# KiCad board SparkFun_GNSS_mosaic-T_panelized.kicad_pcb (continued)
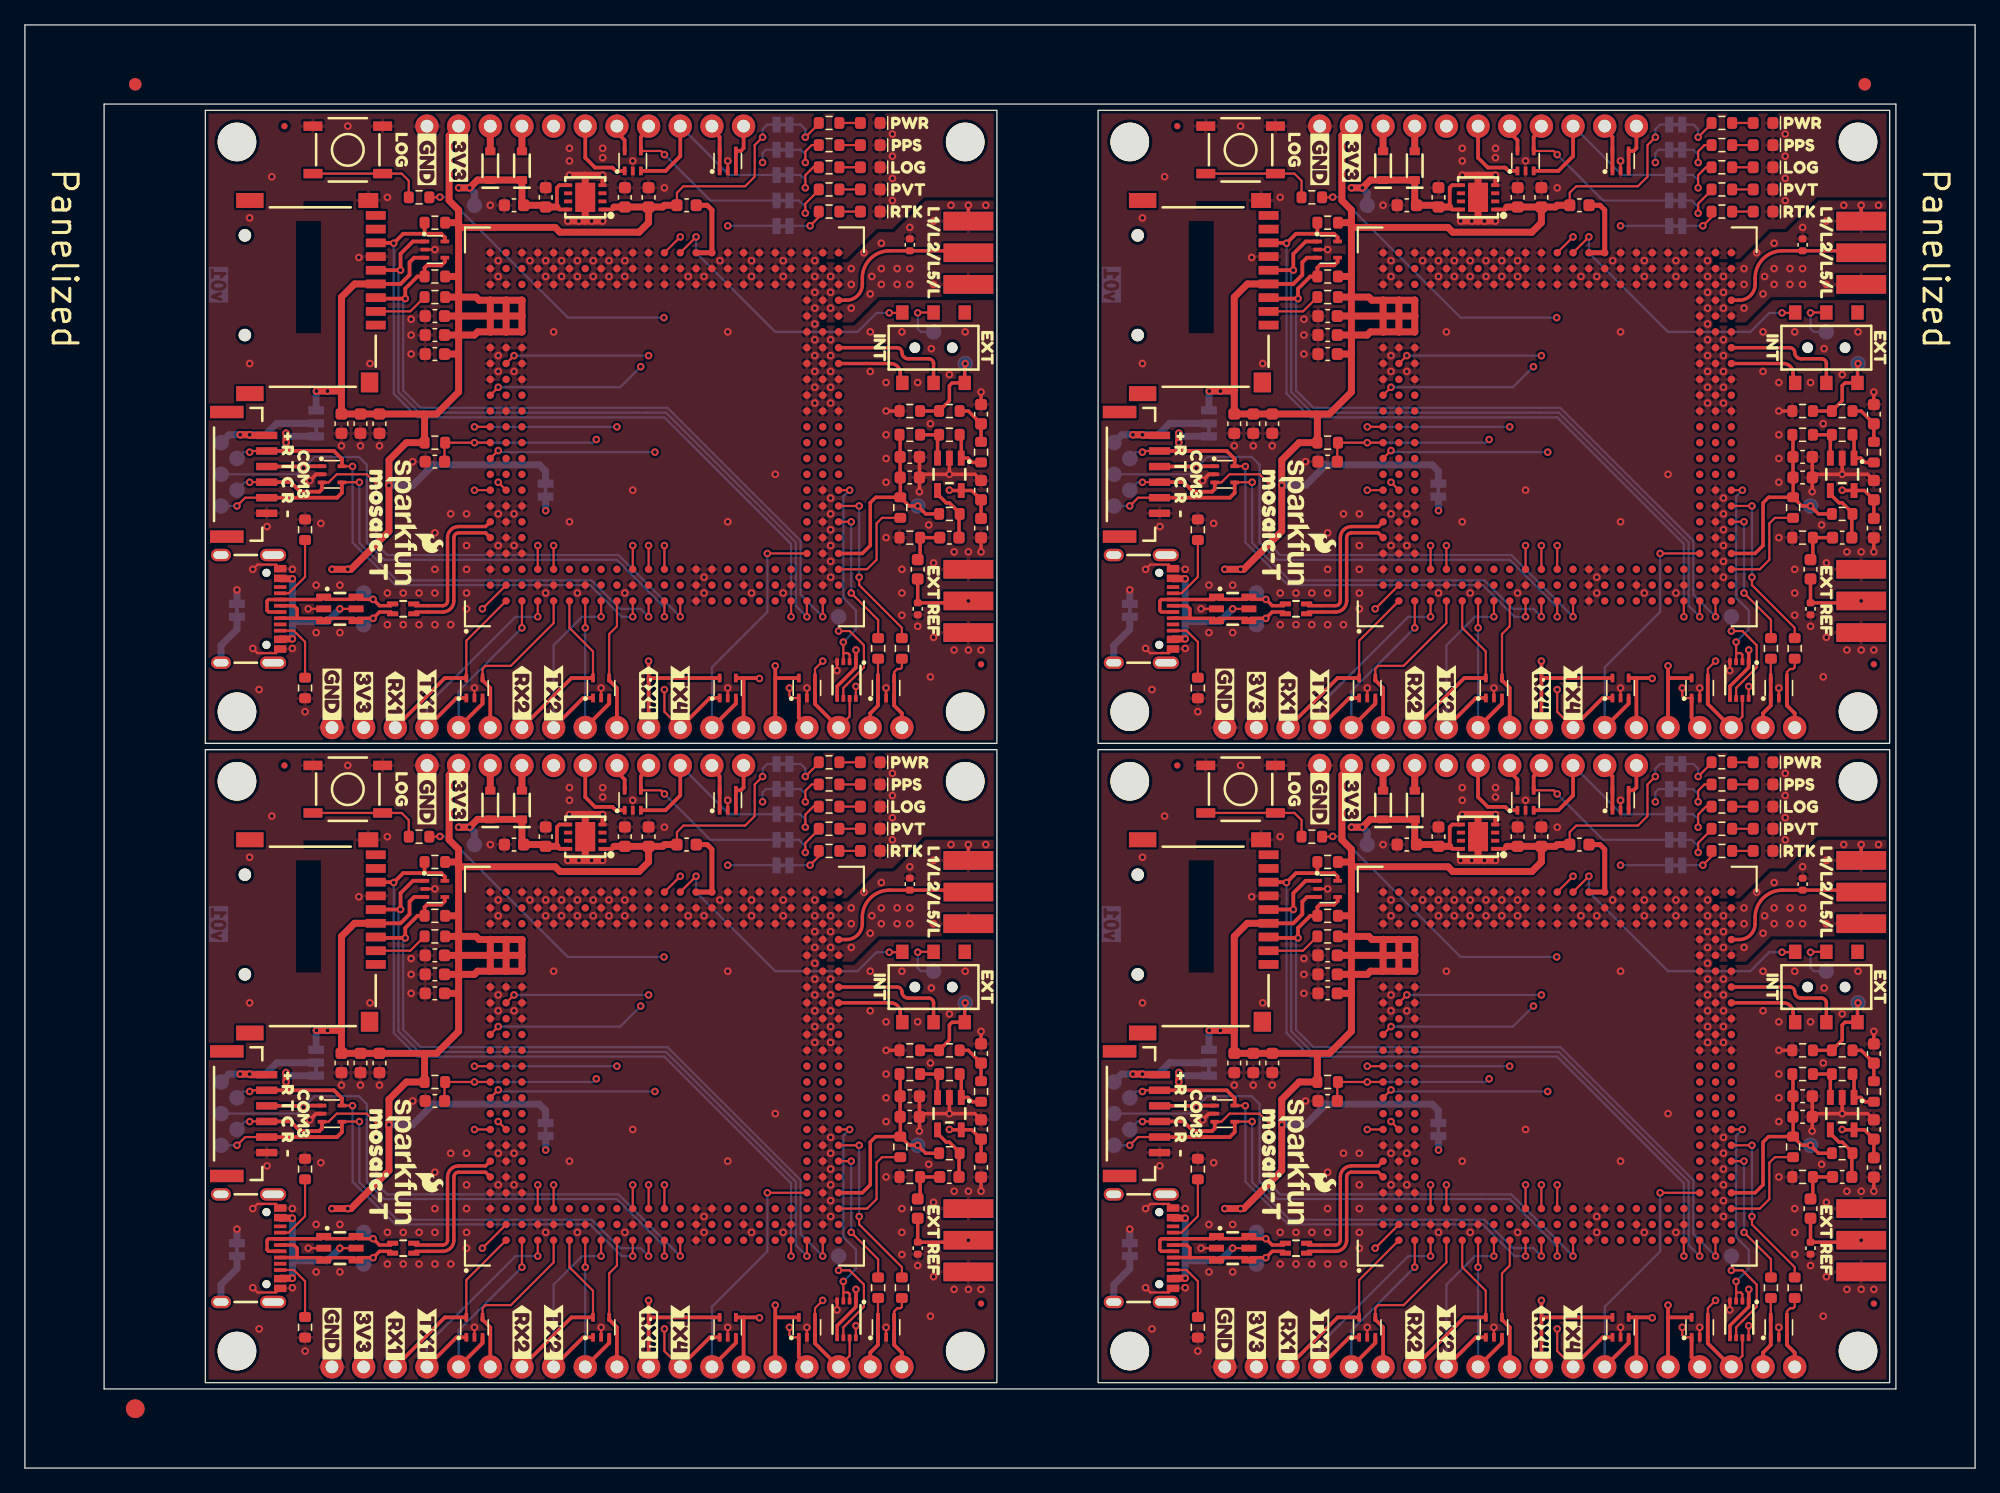
[diagram p0: board, top side]
## Library data of the parts (continued)
C3#3 C4#2 C6#4 C8#2 C13#4 = -: Datasheet: https://cdn.sparkfun.com/assets/8/a/4/a/5/Kemet_Capacitor_Datasheet.pdf; Description: Unpolarized capacitor; PROD_ID: CAP-00810; Voltage: 25V; Tolerance: 20%; ki_fp_filters: C_*
C5 C5#2 C5#3 C9#2-C9#4 C16 C16#2 C16#3 C17#2-C17#4 = -: Datasheet: https://cdn.sparkfun.com/assets/8/a/4/a/5/Kemet_Capacitor_Datasheet.pdf; Description: Unpolarized capacitor; PROD_ID: CAP-13930; Voltage: 16V; Tolerance: 10%
C5#4 C9 C16#4 C17 = -: Datasheet: https://cdn.sparkfun.com/assets/8/a/4/a/5/Kemet_Capacitor_Datasheet.pdf; Description: Unpolarized capacitor; PROD_ID: CAP-13930; Voltage: 16V; Tolerance: 10%; ki_fp_filters: C_*
C10 C10#2 C10#3 C11 C11#2 C11#3 = -: Datasheet: https://cdn.sparkfun.com/assets/8/a/4/a/5/Kemet_Capacitor_Datasheet.pdf; Description: Unpolarized capacitor; PROD_ID: CAP-07886; Voltage: 50V; Tolerance: 10%
C10#4 C11#4 = -: Datasheet: https://cdn.sparkfun.com/assets/8/a/4/a/5/Kemet_Capacitor_Datasheet.pdf; Description: Unpolarized capacitor; PROD_ID: CAP-07886; Voltage: 50V; Tolerance: 10%; ki_fp_filters: C_*
C14 C14#2 C14#4 = -: Datasheet: https://cdn.sparkfun.com/assets/8/a/4/a/5/Kemet_Capacitor_Datasheet.pdf; Description: Unpolarized capacitor; PROD_ID: CAP-10142; Voltage: 50V; Tolerance: 5%
C14#3 = -: Datasheet: https://cdn.sparkfun.com/assets/8/a/4/a/5/Kemet_Capacitor_Datasheet.pdf; Description: Unpolarized capacitor; PROD_ID: CAP-10142; Voltage: 50V; Tolerance: 5%; ki_fp_filters: C_*
D1 D7 D8#4 D10 D11#3 D12#3 D13 D14#2 D15#3 = -: Datasheet: https://toshiba.semicon-storage.com/info/DF5A5.6LFU_datasheet_en_20140301.pdf?did=22260&prodName=DF5A5.6LFU; Description: Low capacitance microSD unidirectional quadruple ESD protection diode array, 3.3V, Common Anode, SOT-353; PROD_ID: DIO-20454; ki_fp_filters: SOT?353*
D1#2-D1#4 D7#2-D7#4 D8 D8#2 D8#3 D10#2-D10#4 D11 D11#2 D11#4 D12 D12#2 D12#4 D13#2-D13#4 D14 D14#3 D14#4 D15 D15#2 D15#4 = -: Datasheet: https://toshiba.semicon-storage.com/info/DF5A5.6LFU_datasheet_en_20140301.pdf?did=22260&prodName=DF5A5.6LFU; Description: Low capacitance microSD unidirectional quadruple ESD protection diode array, 3.3V, Common Anode, SOT-353; PROD_ID: DIO-20454
D2 D2#3 D2#4 = -: Datasheet: https://docs.broadcom.com/docs/AV02-0551EN; Description: Light emitting diode; PROD_ID: DIO-17976
D2#2 = -: Datasheet: https://docs.broadcom.com/docs/AV02-0551EN; Description: Light emitting diode; PROD_ID: DIO-17976; ki_fp_filters: LED* LED_SMD:* LED_THT:*
D3 D3#2 D3#3 = -: Datasheet: https://media.digikey.com/pdf/Data%20Sheets/Rohm%20PDFs/SMLE12_Series_Rev2.0_2007.pdf; Description: Light emitting diode; PROD_ID: DIO-08575
D3#4 = -: Datasheet: https://media.digikey.com/pdf/Data%20Sheets/Rohm%20PDFs/SMLE12_Series_Rev2.0_2007.pdf; Description: Light emitting diode; PROD_ID: DIO-08575; ki_fp_filters: LED* LED_SMD:* LED_THT:*
D4 D4#3 D4#4 = -: Datasheet: https://docs.broadcom.com/docs/AV02-0551EN; Description: Light emitting diode; PROD_ID: DIO-00821
D4#2 = -: Datasheet: https://docs.broadcom.com/docs/AV02-0551EN; Description: Light emitting diode; PROD_ID: DIO-00821; ki_fp_filters: LED* LED_SMD:* LED_THT:*
D5 D5#2 D5#3 = -: Datasheet: https://www.qt-brightek.com/datasheet/QBLP601_series.pdf; Description: Light emitting diode; PROD_ID: DIO-09004
D5#4 = -: Datasheet: https://www.qt-brightek.com/datasheet/QBLP601_series.pdf; Description: Light emitting diode; PROD_ID: DIO-09004; ki_fp_filters: LED* LED_SMD:* LED_THT:*
D6 D6#2 D6#4 = -: Datasheet: https://www.kingbrightusa.com/images/catalog/SPEC/APT1608SYCK.pdf; Description: Light emitting diode; PROD_ID: DIO-09003
D6#3 = -: Datasheet: https://www.kingbrightusa.com/images/catalog/SPEC/APT1608SYCK.pdf; Description: Light emitting diode; PROD_ID: DIO-09003; ki_fp_filters: LED* LED_SMD:* LED_THT:*
D9 D16#4 = -: Datasheet: https://www.littelfuse.com/~/media/electronics/product_specifications/polymer_esd_suppressors/littelfuse_polymer_esd_suppressor_pesd0402_140_product_specification.pdf.pdf; Description: Bidirectional transient-voltage-suppression diode; PROD_ID: DIO-15359; ki_fp_filters: TO-???* *_Diode_* *SingleDiode* D_*
D9#2-D9#4 D16 D16#2 D16#3 = -: Datasheet: https://www.littelfuse.com/~/media/electronics/product_specifications/polymer_esd_suppressors/littelfuse_polymer_esd_suppressor_pesd0402_140_product_specification.pdf.pdf; Description: Bidirectional transient-voltage-suppression diode; PROD_ID: DIO-15359
D17 = -: Datasheet: https://www.diodes.com/assets/Datasheets/DT1042-04SO.pdf; Description: Very low capacitance ESD protection diode, 4 data-line, SOT-23-6; PROD_ID: IC-13538; ki_fp_filters: SOT?23*
D17#2-D17#4 = -: Datasheet: https://www.diodes.com/assets/Datasheets/DT1042-04SO.pdf; Description: Very low capacitance ESD protection diode, 4 data-line, SOT-23-6; PROD_ID: IC-13538
D18 D18#2 D18#3 D19 D19#3 D19#4 = -: Datasheet: https://www.infineon.com/dgdl/bat60aseries.pdf?folderId=db3a304313d846880113def5812204a1&fileId=db3a304313d846880113def70c9304a9; Description: Schottky diode; PROD_ID: DIO-14072; IMax: 3A; VDrop: 0.28V; VMax: 10V
D18#4 D19#2 = -: Datasheet: https://www.infineon.com/dgdl/bat60aseries.pdf?folderId=db3a304313d846880113def5812204a1&fileId=db3a304313d846880113def70c9304a9; Description: Schottky diode; PROD_ID: DIO-14072; IMax: 3A; VDrop: 0.28V; VMax: 10V; ki_fp_filters: TO-???* *_Diode_* *SingleDiode* D_*
FID1 FID1#3 FID1#4 FID2#2-FID2#4 FID3#2-FID3#4 FID4 FID4#3 FID4#4 = -: Description: Fiducial Marker
FID1#2 FID2 FID3 FID4#2 = -: Description: Fiducial Marker; ki_fp_filters: Fiducial*
J1 J1#2 J1#4 = -: Datasheet: https://cdn.sparkfun.com/assets/a/d/6/0/8/microSD_Datasheet_msd-1-a.pdf; Description: Micro SD socket External Pin; PROD_ID: CONN-16110
J1#3 = -: Datasheet: https://cdn.sparkfun.com/assets/a/d/6/0/8/microSD_Datasheet_msd-1-a.pdf; Description: Micro SD socket External Pin; PROD_ID: CONN-16110; ki_fp_filters: microSD*
J2 J2#2 J2#4 J6 J6#3 J6#4 = -: Datasheet: https://www.sparkfun.com/datasheets/Wireless/Antenna/SMA-Connector.pdf; Description: SMA PCB Edge Mount connector; PROD_ID: CONN-08289
J2#3 J6#2 = -: Datasheet: https://www.sparkfun.com/datasheets/Wireless/Antenna/SMA-Connector.pdf; Description: SMA PCB Edge Mount connector; PROD_ID: CONN-08289; ki_fp_filters: *BNC* *SMA* *SMB* *SMC* *Cinch* *LEMO*
J3 J4 = -: Description: Basic 0.1" PTH; ki_fp_filters: Connector*:*_1x??_*
J3#2-J3#4 J4#2-J4#4 = -: Description: Basic 0.1" PTH
J5 J5#3 J5#4 = -: Datasheet: https://www.jst-mfg.com/product/pdf/eng/eGH.pdf; Description: JST locking connector; PROD_ID: CONN-16497
J5#2 = -: Datasheet: https://www.jst-mfg.com/product/pdf/eng/eGH.pdf; Description: JST locking connector; PROD_ID: CONN-16497; ki_fp_filters: Connector*:*_1x??_*
J7 J7#2 J7#4 = -: Datasheet: https://www.usb.org/sites/default/files/documents/usb_type-c.zip; Description: USB 2.0-only Type-C Receptacle connector; PROD_ID: CONN-14122
J7#3 = -: Datasheet: https://www.usb.org/sites/default/files/documents/usb_type-c.zip; Description: USB 2.0-only Type-C Receptacle connector; PROD_ID: CONN-14122; ki_fp_filters: USB*C*Receptacle*
L1 = -: Datasheet: http://www.murata.com/en-global/api/pdfdownloadapi?cate=luNoiseSupprFilteChipFerriBead&partno=BLM18PG471SN1%23; Description: Inductor; PROD_ID: NDUC-12579; Frequency: 100MHz; ki_fp_filters: Choke_* *Coil* Inductor_* L_*
L1#2-L1#4 = -: Datasheet: http://www.murata.com/en-global/api/pdfdownloadapi?cate=luNoiseSupprFilteChipFerriBead&partno=BLM18PG471SN1%23; Description: Inductor; PROD_ID: NDUC-12579; Frequency: 100MHz
LOG1 LOG1#2 LOG1#3 PPS1#2-PPS1#4 PVT1 PVT1#2 PVT1#3 PWR1#2-PWR1#4 RTK1 RTK1#3 RTK1#4 SHLD1 SHLD1#3 SHLD1#4 VBATT1#2-VBATT1#4 = -: Description: Solder Jumper, 2-pole, closed/bridged
LOG1#4 PPS1 PVT1#4 PWR1 RTK1#2 SHLD1#2 VBATT1 = -: Description: Solder Jumper, 2-pole, closed/bridged; ki_fp_filters: SolderJumper*Bridged*
R1 R1#3 R1#4 R2 R2#2 R2#3 R3 R3#2 R3#3 R4#2-R4#4 R5 R5#2 R5#3 = -: Datasheet: https://www.vishay.com/docs/20035/dcrcwe3.pdf; Description: Resistor; PROD_ID: RES-00824
R1#2 R2#4 R3#4 R4 R5#4 = -: Datasheet: https://www.vishay.com/docs/20035/dcrcwe3.pdf; Description: Resistor; PROD_ID: RES-00824; ki_fp_filters: R_*
R6 R6#2 R6#4 = -: Datasheet: https://www.vishay.com/docs/20035/dcrcwe3.pdf; Description: Resistor; PROD_ID: RES-07857
R6#3 = -: Datasheet: https://www.vishay.com/docs/20035/dcrcwe3.pdf; Description: Resistor; PROD_ID: RES-07857; ki_fp_filters: R_*
R7 R12#2 = -: Datasheet: https://www.vishay.com/docs/20035/dcrcwe3.pdf; Description: Resistor; PROD_ID: RES-08272; ki_fp_filters: R_*
R7#2-R7#4 R12 R12#3 R12#4 = -: Datasheet: https://www.vishay.com/docs/20035/dcrcwe3.pdf; Description: Resistor; PROD_ID: RES-08272
R8 R8#2 R8#3 R9 R9#2 R9#3 = -: Datasheet: https://www.vishay.com/docs/20035/dcrcwe3.pdf; Description: Resistor; PROD_ID: RES-14394
R8#4 R9#4 = -: Datasheet: https://www.vishay.com/docs/20035/dcrcwe3.pdf; Description: Resistor; PROD_ID: RES-14394; ki_fp_filters: R_*
R10 R10#2 R10#3 = -: Datasheet: https://www.vishay.com/docs/20035/dcrcwe3.pdf; Description: Resistor; PROD_ID: RES-00818
R10#4 = -: Datasheet: https://www.vishay.com/docs/20035/dcrcwe3.pdf; Description: Resistor; PROD_ID: RES-00818; ki_fp_filters: R_*
R11 R11#2 R11#3 R13#2-R13#4 R15#2-R15#4 R16 R16#2 R16#3 R21 R21#2 R21#3 R22 R22#3 R22#4 = -: Datasheet: https://www.vishay.com/docs/20035/dcrcwe3.pdf; Description: Resistor; PROD_ID: RES-07856
R11#4 R13 R15 R16#4 R21#4 R22#2 = -: Datasheet: https://www.vishay.com/docs/20035/dcrcwe3.pdf; Description: Resistor; PROD_ID: RES-07856; ki_fp_filters: R_*
R14 R14#2 R14#4 = -: Datasheet: https://www.vishay.com/docs/20035/dcrcwe3.pdf; Description: Resistor; PROD_ID: RES-16237; Wattage: 0.5W; Tolerance: 1%
R14#3 = -: Datasheet: https://www.vishay.com/docs/20035/dcrcwe3.pdf; Description: Resistor; PROD_ID: RES-16237; Wattage: 0.5W; Tolerance: 1%; ki_fp_filters: R_*
R17 R17#3 R17#4 R18 R18#2 R18#4 = -: Datasheet: https://www.vishay.com/docs/20035/dcrcwe3.pdf; Description: Resistor; PROD_ID: RES-12083
R17#2 R18#3 = -: Datasheet: https://www.vishay.com/docs/20035/dcrcwe3.pdf; Description: Resistor; PROD_ID: RES-12083; ki_fp_filters: R_*
R19 R19#2 R19#3 = -: Datasheet: https://www.vishay.com/docs/20035/dcrcwe3.pdf; Description: Resistor; PROD_ID: RES-07828
R19#4 = -: Datasheet: https://www.vishay.com/docs/20035/dcrcwe3.pdf; Description: Resistor; PROD_ID: RES-07828; ki_fp_filters: R_*
R20 = -: Datasheet: https://www.vishay.com/docs/20035/dcrcwe3.pdf; Description: Resistor; PROD_ID: RES-08270; ki_fp_filters: R_*
R20#2-R20#4 = -: Datasheet: https://www.vishay.com/docs/20035/dcrcwe3.pdf; Description: Resistor; PROD_ID: RES-08270
ST1 ST1#2 ST1#3 ST2 ST2#2 ST2#3 ST3 ST3#2 ST3#4 ST4 ST4#3 ST4#4 = -: Description: Drill holes for mechanically mounting via screws, standoffs, etc.
ST1#4 ST2#4 ST3#3 ST4#2 = -: Description: Drill holes for mechanically mounting via screws, standoffs, etc.; ki_fp_filters: Fiducial*
SW1 SW1#2 SW1#4 = -: Datasheet: https://www.sparkfun.com/datasheets/Components/SW_slide_ayz.pdf; Description: Switch dual pole double throw; PROD_ID: SWCH-08179; Mfg Part#: ABC
SW1#3 = -: Datasheet: https://www.sparkfun.com/datasheets/Components/SW_slide_ayz.pdf; Description: Switch dual pole double throw; PROD_ID: SWCH-08179; Mfg Part#: ABC; ki_fp_filters: SW*DPDT*
SW2 SW2#2-SW2#4 = -: Description: Single Pole Single Throw (SPST) switch; PROD_ID: SWCH-14139
TP1 TP1#2 TP1#3 TP2#2-TP2#4 TP3 TP3#2 TP3#3 TP4 TP4#2 TP4#3 TP5#2-TP5#4 TP6 TP6#3 TP6#4 TP7#2-TP7#4 TP8 TP8#2 TP8#4 TP9 TP9#2 TP9#3 TP10 TP10#2 TP10#4 TP11#2-TP11#4 TP12 TP12#3 TP12#4 TP13 TP13#2 TP13#3 = -: Description: Test Point
TP1#4 TP2 TP3#4 TP4#4 TP5 TP6#2 TP7 TP8#3 TP9#4 TP10#3 TP11 TP12#2 TP13#4 = -: Description: Test Point; ki_fp_filters: Pin* Test*
TR1 TR1#2-TR1#4 = -: Datasheet: http://www.passivecomponent.com/wp-content/uploads/2018/10/RF-Filter.pdf; Description: USB Transformer; PROD_ID: COMP-19495
U1 U1#2-U1#4 = -: Datasheet: https://docs.sparkfun.com/SparkFun_RTK_mosaic-X5/assets/component_documentation/Mosaic%20Hardware%20Manual_v1.8.0.pdf; Description: Tri-band GNSS receiver; PROD_ID: GPS-22762
U2 = -: Datasheet: https://assets.nexperia.com/documents/data-sheet/74LVC_LVCH2T45.pdf; Description: Dual supply translating transceiver, 3-state, 2-bit, VSSOP-8; PROD_ID: IC-19989; DIR1: A <= B : DIR = GND; DIR2: A => B : DIR = VCCA; ki_fp_filters: VSSOP*2.3x2mm*P0.5mm*
U2#2-U2#4 = -: Datasheet: https://assets.nexperia.com/documents/data-sheet/74LVC_LVCH2T45.pdf; Description: Dual supply translating transceiver, 3-state, 2-bit, VSSOP-8; PROD_ID: IC-19989; DIR1: A <= B : DIR = GND; DIR2: A => B : DIR = VCCA
U3 U3#3 U3#4 = -: Datasheet: https://www.ti.com/lit/ds/symlink/lmv7219.pdf; Description: Single Low-Power High-Speed Push-Pull Output Comparator, SOT-23-5; PROD_ID: IC-23719
U3#2 = -: Datasheet: https://www.ti.com/lit/ds/symlink/lmv7219.pdf; Description: Single Low-Power High-Speed Push-Pull Output Comparator, SOT-23-5; PROD_ID: IC-23719; ki_fp_filters: SOT?23*
U4 U4#2 U4#3 = -: Datasheet: https://www.diodes.com/assets/Datasheets/AP7361C.pdf; Description: 1A low dropout linear regulator, with enable pin, 2.2-6.0V input, 3.3V output, UDFN-8; PROD_ID: VREG-14094; VMax: 6V; Ityp: 1.0A; IMax: 1.5A; Iq: 60µA
U4#4 = -: Datasheet: https://www.diodes.com/assets/Datasheets/AP7361C.pdf; Description: 1A low dropout linear regulator, with enable pin, 2.2-6.0V input, 3.3V output, UDFN-8; PROD_ID: VREG-14094; VMax: 6V; Ityp: 1.0A; IMax: 1.5A; Iq: 60µA; ki_fp_filters: SOT?23?5*
VOUT1 VOUT1#2 VOUT1#3 = -: Description: 3-pole Solder Jumper, pins 1+2 closed/bridged
VOUT1#4 = -: Description: 3-pole Solder Jumper, pins 1+2 closed/bridged; ki_fp_filters: SolderJumper*Bridged12*

## Footprints (pads in the part's own frame, mm; a bottom-side part is the same pattern mirrored in y, then rotated)
1x11
  round 1.88 hole 1.016: 1(0,0) 2(2.54,0) 3(5.08,0) 4(7.62,0) 5(10.16,0) 6(12.7,0) 7(15.24,0) 8(17.78,0) 9(20.32,0) 10(22.86,0) 11(25.4,0)
1x19
  round 1.88 hole 1.016: 1(0,0) 2(2.54,0) 3(5.08,0) 4(7.62,0) 5(10.16,0) 6(12.7,0) 7(15.24,0) 8(17.78,0) 9(20.32,0) 10(22.86,0) 11(25.4,0) 12(27.94,0) 13(30.48,0) 14(33.02,0) 15(35.56,0) 16(38.1,0) 17(40.64,0) 18(43.18,0) 19(45.72,0)
C_0402_1005Metric
  rrect 0.56x0.62 smd: 1(-0.48,0) 2(0.48,0)
C_0603_1608Metric
  rrect 0.9x0.95 smd: 1(-0.775,0) 2(0.775,0)
Fiducial_0.5mm_Mask1mm
  round 0.5 smd: (0,0)
Fiducial_1.5mm_Mask3mm
  round 1.5 smd: (0,0)
Fiducial_1mm_Mask3mm
  round 1 smd: (0,0)
JST_SMD_1.25mm-6_Locking
  rect 0.6x1.7 smd: 1(-3.125,1.75) 2(-1.875,1.75) 3(-0.625,1.75) 4(0.625,1.75) 5(1.875,1.75) 6(3.125,1.75)
  rect 1x2.7 smd: NC1(-5,-1.45) NC2(5,-1.45)
Jumper_2_NC_Trace
  rect 0.66x1.27 smd: 1(-0.521,0) 2(0.521,0)
Jumper_3_NC-1_Trace
  rect 0.66x1.27 smd: 1(-1.041,0) 2(0,0) 3(1.041,0)
LED_0603_1608Metric_Blue
  rrect 0.875x0.95 smd: 1(-0.787,0) 2(0.787,0)
LED_0603_1608Metric_Green
  rrect 0.875x0.95 smd: 1(-0.787,0) 2(0.787,0)
LED_0603_1608Metric_Red
  rrect 0.875x0.95 smd: 1(-0.787,0) 2(0.787,0)
LED_0603_1608Metric_White
  rrect 0.875x0.95 smd: 1(-0.787,0) 2(0.787,0)
LED_0603_1608Metric_Yellow
  rrect 0.875x0.95 smd: 1(-0.787,0) 2(0.787,0)
microSD_External_Pin
  round 1 hole 1 unplated: (-4.95,0) (3.05,0)
  rect 0.7x1.6 smd: 1(2.25,10.5) 2(1.15,10.5) 3(0.05,10.5) 4(-1.05,10.5) 5(-2.15,10.5) 6(-3.25,10.5) 7(-4.35,10.5) 8(-5.45,10.5) 9(-6.55,10.5)
  rect 1.2x1.6 smd: 10(-7.75,9.9)
  rect 1.2x2.2 smd: 11(-7.75,0.4) 12(7.75,0.4)
  rect 1.6x1.4 smd: 13(6.85,10)
MOSAIC_LGA
  rrect 0.6x0.6 smd: A2(12.7,-13.97) A3(11.43,-13.97) A4(10.16,-13.97) A5(8.89,-13.97) A6(7.62,-13.97) A7(6.35,-13.97) A8(5.08,-13.97) A9(3.81,-13.97) A10(2.54,-13.97) A11(1.27,-13.97) A12(0,-13.97) A13(-1.27,-13.97) A14(-2.54,-13.97) A15(-3.81,-13.97) A16(-5.08,-13.97) A17(-6.35,-13.97) A18(-7.62,-13.97) A19(-8.89,-13.97) A20(-10.16,-13.97) A21(-11.43,-13.97) A22(-12.7,-13.97) A23(-13.97,-13.97) AA1(13.97,11.43) AA2(12.7,11.43) AA3(11.43,11.43) AA4(10.16,11.43) AA5(8.89,11.43) AA6(7.62,11.43) AA7(6.35,11.43) AA8(5.08,11.43) AA9(3.81,11.43) AA10(2.54,11.43) AA11(1.27,11.43) AA12(0,11.43) AA13(-1.27,11.43) AA14(-2.54,11.43) AA15(-3.81,11.43) AA16(-5.08,11.43) AA17(-6.35,11.43) AA18(-7.62,11.43) AA19(-8.89,11.43) AA20(-10.16,11.43) AA21(-11.43,11.43) AA22(-12.7,11.43) AA23(-13.97,11.43) AB1(13.97,12.7) AB2(12.7,12.7) AB3(11.43,12.7) AB4(10.16,12.7) AB5(8.89,12.7) AB6(7.62,12.7) AB7(6.35,12.7) AB8(5.08,12.7) AB9(3.81,12.7) AB10(2.54,12.7) AB11(1.27,12.7) AB12(0,12.7) AB13(-1.27,12.7) AB14(-2.54,12.7) AB15(-3.81,12.7) AB16(-5.08,12.7) AB17(-6.35,12.7) AB18(-7.62,12.7) AB19(-8.89,12.7) AB20(-10.16,12.7) AB21(-11.43,12.7) AB22(-12.7,12.7) AB23(-13.97,12.7) AC1(13.97,13.97) AC2(12.7,13.97) AC3(11.43,13.97) AC4(10.16,13.97) AC5(8.89,13.97) AC6(7.62,13.97) AC7(6.35,13.97) AC8(5.08,13.97) AC9(3.81,13.97) AC10(2.54,13.97) AC11(1.27,13.97) AC12(0,13.97) AC13(-1.27,13.97) AC14(-2.54,13.97) AC15(-3.81,13.97) AC16(-5.08,13.97) AC17(-6.35,13.97) AC18(-7.62,13.97) AC19(-8.89,13.97) AC20(-10.16,13.97) AC21(-11.43,13.97) AC22(-12.7,13.97) AC23(-13.97,13.97) B1(13.97,-12.7) B2(12.7,-12.7) B3(11.43,-12.7) B4(10.16,-12.7) B5(8.89,-12.7) B6(7.62,-12.7) B7(6.35,-12.7) B8(5.08,-12.7) B9(3.81,-12.7) B10(2.54,-12.7) B11(1.27,-12.7) B12(0,-12.7) B13(-1.27,-12.7) B14(-2.54,-12.7) B15(-3.81,-12.7) B16(-5.08,-12.7) B17(-6.35,-12.7) B18(-7.62,-12.7) B19(-8.89,-12.7) B20(-10.16,-12.7) B21(-11.43,-12.7) B22(-12.7,-12.7) B23(-13.97,-12.7) C1(13.97,-11.43) C2(12.7,-11.43) C3(11.43,-11.43) C4(10.16,-11.43) C5(8.89,-11.43) C6(7.62,-11.43) C7(6.35,-11.43) C8(5.08,-11.43) C9(3.81,-11.43) C10(2.54,-11.43) C11(1.27,-11.43) C12(0,-11.43) C13(-1.27,-11.43) C14(-2.54,-11.43) C15(-3.81,-11.43) C16(-5.08,-11.43) C17(-6.35,-11.43) C18(-7.62,-11.43) C19(-8.89,-11.43) C20(-10.16,-11.43) C21(-11.43,-11.43) C22(-12.7,-11.43) C23(-13.97,-11.43) D1(13.97,-10.16) D2(12.7,-10.16) D3(11.43,-10.16) D21(-11.43,-10.16) D22(-12.7,-10.16) D23(-13.97,-10.16) E1(13.97,-8.89) E2(12.7,-8.89) E3(11.43,-8.89) E21(-11.43,-8.89) E22(-12.7,-8.89) E23(-13.97,-8.89) F1(13.97,-7.62) F2(12.7,-7.62) F3(11.43,-7.62) F21(-11.43,-7.62) F22(-12.7,-7.62) F23(-13.97,-7.62) G1(13.97,-6.35) G2(12.7,-6.35) G3(11.43,-6.35) G21(-11.43,-6.35) G22(-12.7,-6.35) G23(-13.97,-6.35) H1(13.97,-5.08) H2(12.7,-5.08) H3(11.43,-5.08) H21(-11.43,-5.08) H22(-12.7,-5.08) H23(-13.97,-5.08) J1(13.97,-3.81) J2(12.7,-3.81) J3(11.43,-3.81) J21(-11.43,-3.81) J22(-12.7,-3.81) J23(-13.97,-3.81) K1(13.97,-2.54) K2(12.7,-2.54) K3(11.43,-2.54) K21(-11.43,-2.54) K22(-12.7,-2.54) K23(-13.97,-2.54) L1(13.97,-1.27) L2(12.7,-1.27) L3(11.43,-1.27) L21(-11.43,-1.27) L22(-12.7,-1.27) L23(-13.97,-1.27) M1(13.97,0) M2(12.7,0) M3(11.43,0) M21(-11.43,0) M22(-12.7,0) M23(-13.97,0) N1(13.97,1.27) N2(12.7,1.27) N3(11.43,1.27) N21(-11.43,1.27) N22(-12.7,1.27) N23(-13.97,1.27) P1(13.97,2.54) P2(12.7,2.54) P3(11.43,2.54) P21(-11.43,2.54) P22(-12.7,2.54) P23(-13.97,2.54) R1(13.97,3.81) R2(12.7,3.81) R3(11.43,3.81) R21(-11.43,3.81) R22(-12.7,3.81) R23(-13.97,3.81) T1(13.97,5.08) T2(12.7,5.08) T3(11.43,5.08) T21(-11.43,5.08) T22(-12.7,5.08) T23(-13.97,5.08) U1(13.97,6.35) U2(12.7,6.35) U3(11.43,6.35) U21(-11.43,6.35) U22(-12.7,6.35) U23(-13.97,6.35) V1(13.97,7.62) V2(12.7,7.62) V3(11.43,7.62) V21(-11.43,7.62) V22(-12.7,7.62) V23(-13.97,7.62) W1(13.97,8.89) W2(12.7,8.89) W3(11.43,8.89) W21(-11.43,8.89) W22(-12.7,8.89) W23(-13.97,8.89) Y1(13.97,10.16) Y2(12.7,10.16) Y3(11.43,10.16) Y21(-11.43,10.16) Y22(-12.7,10.16) Y23(-13.97,10.16)
Push_SMD_5.2x5.2mm_h2.5mm
  rect 1.524x0.762 smd: 1(-2.794,1.905) 1(2.794,1.905) 2(-2.794,-1.905) 2(2.794,-1.905)
R_0603_1608Metric
  rrect 0.8x0.95 smd: 1(-0.825,0) 2(0.825,0)
RFCMF1220100M4T
  rect 0.9x0.4 smd: 1(-0.85,0.4) 2(0.85,0.4) 3(-0.85,-0.4) 4(0.85,-0.4)
Slide_DPDT_SMD_7.2x3.5mm
  round 0.85 hole 0.85 unplated: (0,1.5) (0,-1.5)
  rect 1.15x1 smd: 1(-2.825,-2.5) 2(-2.825,0) 3(-2.825,2.5) 4(2.825,-2.5) 5(2.825,0) 6(2.825,2.5)
SMA_Edge
  rect 1.5x4 smd: 1(0,0) 2(-2.54,0) 2(2.54,0)
  rect 1.5x4 smd far side: 2(-2.54,0) 2(2.54,0)
SOD-323
  rect 0.63x0.83 smd: 1(-1.15,0) 2(1.15,0)
SOT23-5
  rect 1.2x0.55 smd: 1(-1.3,0.95) 2(-1.3,0) 3(-1.3,-0.95) 4(1.3,-0.95) 5(1.3,0.95)
SOT23-6
  rect 1.2x0.55 smd: 1(-1.3,0.95) 2(-1.3,0) 3(-1.3,-0.95) 4(1.3,-0.95) 5(1.3,0) 6(1.3,0.95)
SOT-353
  rect 0.7x0.3 smd: 1(-0.8,0.65) 2(-0.8,0) 3(-0.8,-0.65) 4(0.8,-0.65) 5(0.8,0.65)
Standoff
  round 3.1 hole 3.1 unplated: (0,0)
TestPoint-1.25mm
  rrect 1.25x1.25 smd: 1(0,0)
UDFN-8
  rect 0.65x0.3 smd: 1(-1.375,0.975) 2(-1.375,0.325) 3(-1.375,-0.325) 4(-1.375,-0.975) 5(1.375,-0.975) 6(1.375,-0.325) 7(1.375,0.325) 8(1.375,0.975)
  rect 1.6x2.35 smd: 9(0,0)
USB-C_16
  round 0.65 hole 0.65 unplated: (-2.89,-1.445) (2.89,-1.445)
  rect 0.3x1 smd: A5(-1.25,-0.34) A6(-0.25,-0.34) A7(0.25,-0.34) A8(1.25,-0.34) B5(1.75,-0.34) B6(0.75,-0.34) B7(-0.75,-0.34) B8(-1.75,-0.34)
  rect 0.6x1 smd: GND(-3.225,-0.34) GND(3.225,-0.34) VBUS(-2.45,-0.34) VBUS(2.45,-0.34)
  oval 1x1.6 hole 0.6x1.2: NC1(-4.318,-5.095) S(4.318,-5.095)
  oval 1x2.1 hole 0.6x1.7: NC2(-4.318,-0.915) NC3(4.318,-0.915)
VSSOP8_SOT765-1
  rrect 0.55x0.3 smd: 1(-1.475,0.75) 2(-1.475,0.25) 3(-1.475,-0.25) 4(-1.475,-0.75) 5(1.475,-0.75) 6(1.475,-0.25) 7(1.475,0.25) 8(1.475,0.75)

## Nets
1.8V: C2.1 C2#2.1 C2#3.1 C2#4.1 C6.1 C6#2.1 C6#3.1 C6#4.1 R5.1 R5#2.1 R5#3.1 R5#4.1 R15.2 R15#2.2 R15#3.2 R15#4.2 R16.2 R16#2.2 R16#3.2 R16#4.2 TP1.1 TP1#2.1 TP1#3.1 TP1#4.1 U1.AC4 U1#2.AC4 U1#3.AC4 U1#4.AC4 U2.1 U2.5 U2#2.1 U2#2.5 U2#3.1 U2#3.5 U2#4.1 U2#4.5
2V8_IN: SW1.5 SW1#2.5 SW1#3.5 SW1#4.5 TP2.1 TP2#2.1 TP2#3.1 TP2#4.1 U1.M23 U1#2.M23 U1#3.M23 U1#4.M23
2V8_OUT: SW1.6 SW1#2.6 SW1#3.6 SW1#4.6 U1.N23 U1#2.N23 U1#3.N23 U1#4.N23
3.3V: C1.1 C1#2.1 C1#3.1 C1#4.1 C4.1 C4#2.1 C4#3.1 C4#4.1 C5.1 C5#2.1 C5#3.1 C5#4.1 C7.1 C7#2.1 C7#3.1 C7#4.1 C8.1 C8#2.1 C8#3.1 C8#4.1 C9.1 C9#2.1 C9#3.1 C9#4.1 C12.1 C12#2.1 C12#3.1 C12#4.1 C13.1 C13#2.1 C13#3.1 C13#4.1 C17.1 C17#2.1 C17#3.1 C17#4.1 C18.1 C18#2.1 C18#3.1 C18#4.1 D1.3 D1#2.3 D1#3.3 D1#4.3 J1.4 J1#2.4 J1#3.4 J1#4.4 J3.2 J3#2.2 J3#3.2 J3#4.2 J4.2 J4#2.2 J4#3.2 J4#4.2 L1.1 L1#2.1 L1#3.1 L1#4.1 PWR1.2 PWR1#2.2 PWR1#3.2 PWR1#4.2 R1.2 R1#2.2 R1#3.2 R1#4.2 R2.2 R2#2.2 R2#3.2 R2#4.2 R3.2 R3#2.2 R3#3.2 R3#4.2 R4.2 R4#2.2 R4#3.2 R4#4.2 U1.A18 U1.A19 U1.A20 U1.B18 U1.B19 U1.B20 U1.C18 U1.C19 U1.C20 U1#2.A18 U1#2.A19 U1#2.A20 U1#2.B18 U1#2.B19 U1#2.B20 U1#2.C18 U1#2.C19 U1#2.C20 U1#3.A18 U1#3.A19 U1#3.A20 U1#3.B18 U1#3.B19 U1#3.B20 U1#3.C18 U1#3.C19 U1#3.C20 U1#4.A18 U1#4.A19 U1#4.A20 U1#4.B18 U1#4.B19 U1#4.B20 U1#4.C18 U1#4.C19 U1#4.C20 U2.8 U2#2.8 U2#3.8 U2#4.8 U3.5 U3#2.5 U3#3.5 U3#4.5 U4.1 U4#2.1 U4#3.1 U4#4.1 VBATT1.1 VBATT1#2.1 VBATT1#3.1 VBATT1#4.1 VOUT1.3 VOUT1#2.3 VOUT1#3.3 VOUT1#4.3
5V: C15.1 C15#2.1 C15#3.1 C15#4.1 C16.1 C16#2.1 C16#3.1 C16#4.1 D18.1 D18#2.1 D18#3.1 D18#4.1 D19.1 D19#2.1 D19#3.1 D19#4.1 TP11.1 TP11#2.1 TP11#3.1 TP11#4.1 U4.5 U4.8 U4#2.5 U4#2.8 U4#3.5 U4#3.8 U4#4.5 U4#4.8 VOUT1.1 VOUT1#2.1 VOUT1#3.1 VOUT1#4.1
GND: C1.2 C1#2.2 C1#3.2 C1#4.2 C2.2 C2#2.2 C2#3.2 C2#4.2 C3.2 C3#2.2 C3#3.2 C3#4.2 C4.2 C4#2.2 C4#3.2 C4#4.2 C5.2 C5#2.2 C5#3.2 C5#4.2 C6.2 C6#2.2 C6#3.2 C6#4.2 C7.2 C7#2.2 C7#3.2 C7#4.2 C8.2 C8#2.2 C8#3.2 C8#4.2 C9.2 C9#2.2 C9#3.2 C9#4.2 C12.2 C12#2.2 C12#3.2 C12#4.2 C13.2 C13#2.2 C13#3.2 C13#4.2 C14.2 C14#2.2 C14#3.2 C14#4.2 C15.2 C15#2.2 C15#3.2 C15#4.2 C16.2 C16#2.2 C16#3.2 C16#4.2 C17.2 C17#2.2 C17#3.2 C17#4.2 C18.2 C18#2.2 C18#3.2 C18#4.2 D1.2 D1#2.2 D1#3.2 D1#4.2 D2.1 D2#2.1 D2#3.1 D2#4.1 D3.1 D3#2.1 D3#3.1 D3#4.1 D4.1 D4#2.1 D4#3.1 D4#4.1 D5.1 D5#2.1 D5#3.1 D5#4.1 D6.1 D6#2.1 D6#3.1 D6#4.1 D7.2 D7#2.2 D7#3.2 D7#4.2 D8.2 D8#2.2 D8#3.2 D8#4.2 D9.1 D9#2.1 D9#3.1 D9#4.1 D10.2 D10#2.2 D10#3.2 D10#4.2 D11.2 D11#2.2 D11#3.2 D11#4.2 D12.2 D12#2.2 D12#3.2 D12#4.2 D13.2 D13#2.2 D13#3.2 D13#4.2 D14.2 D14#2.2 D14#3.2 D14#4.2 D15.2 D15#2.2 D15#3.2 D15#4.2 D16.1 D16#2.1 D16#3.1 D16#4.1 D17.2 D17#2.2 D17#3.2 D17#4.2 J1.6 J1.10 J1#2.6 J1#2.10 J1#3.6 J1#3.10 J1#4.6 J1#4.10 J2.2 J2#2.2 J2#3.2 J2#4.2 J3.1 J3#2.1 J3#3.1 J3#4.1 J4.1 J4#2.1 J4#3.1 J4#4.1 J5.6 J5#2.6 J5#3.6 J5#4.6 J6.2 J6#2.2 J6#3.2 J6#4.2 J7.GND J7#2.GND J7#3.GND J7#4.GND R14.1 R14#2.1 R14#3.1 R14#4.1 R17.1 R17#2.1 R17#3.1 R17#4.1 R18.1 R18#2.1 R18#3.1 R18#4.1 R22.2 R22#2.2 R22#3.2 R22#4.2 SHLD1.1 SHLD1#2.1 SHLD1#3.1 SHLD1#4.1 SW2.1 SW2#2.1 SW2#3.1 SW2#4.1 U1.A3 U1.A4 U1.A7 U1.A15 U1.A16 U1.A17 U1.A21 U1.A22 U1.A23 U1.AA13 U1.AA14 U1.AA15 U1.AA16 U1.AA17 U1.AA18 U1.AA19 U1.AA20 U1.AA21 U1.AA22 U1.AA23 U1.AB2 U1.AB3 U1.AB4 U1.AB5 U1.AB6 U1.AB7 U1.AB8 U1.AB13 U1.AB14 U1.AB15 U1.AB16 U1.AB17 U1.AB18 U1.AB19 U1.AB20 U1.AB21 U1.AB22 U1.AB23 U1.AC13 U1.AC15 U1.AC18 U1.AC19 U1.AC21 U1.AC22 U1.AC23 U1.B4 U1.B5 U1.B6 U1.B7 U1.B13 U1.B17 U1.B21 U1.C4 U1.C7 U1.C15 U1.C16 U1.C17 U1.C23 U1.D2 U1.D21 U1.D22 U1.D23 U1.E2 U1.E21 U1.E22 U1.E23 U1.F21 U1.F22 U1.F23 U1.G2 U1.G21 U1.G23 U1.H21 U1.H22 U1.H23 U1.J21 U1.J22 U1.J23 U1.K2 U1.K21 U1.K22 U1.K23 U1.L21 U1.L22 U1.L23 U1.M21 U1.M22 U1.N21 U1.N22 U1.P1 U1.P2 U1.P3 U1.P21 U1.P22 U1.R3 U1.R21 U1.R22 U1.T21 U1.T22 U1.T23 U1.U2 U1.U21 U1.U22 U1.U23 U1.V21 U1.V22 U1.V23 U1.W21 U1.W22 U1.W23 U1.Y2 U1.Y21 U1.Y22 U1.Y23 U1#2.A3 U1#2.A4 U1#2.A7 U1#2.A15 U1#2.A16 U1#2.A17 U1#2.A21 U1#2.A22 U1#2.A23 U1#2.AA13 U1#2.AA14 U1#2.AA15 U1#2.AA16 U1#2.AA17 U1#2.AA18 U1#2.AA19 U1#2.AA20 U1#2.AA21 U1#2.AA22 U1#2.AA23 U1#2.AB2 U1#2.AB3 U1#2.AB4 U1#2.AB5 U1#2.AB6 U1#2.AB7 U1#2.AB8 U1#2.AB13 U1#2.AB14 U1#2.AB15 U1#2.AB16 U1#2.AB17 U1#2.AB18 U1#2.AB19 U1#2.AB20 U1#2.AB21 U1#2.AB22 U1#2.AB23 U1#2.AC13 U1#2.AC15 U1#2.AC18 U1#2.AC19 U1#2.AC21 U1#2.AC22 U1#2.AC23 U1#2.B4 U1#2.B5 U1#2.B6 U1#2.B7 U1#2.B13 U1#2.B17 U1#2.B21 U1#2.C4 U1#2.C7 U1#2.C15 U1#2.C16 U1#2.C17 U1#2.C23 U1#2.D2 U1#2.D21 U1#2.D22 U1#2.D23 U1#2.E2 U1#2.E21 U1#2.E22 U1#2.E23 U1#2.F21 U1#2.F22 U1#2.F23 U1#2.G2 U1#2.G21 U1#2.G23 U1#2.H21 U1#2.H22 U1#2.H23 U1#2.J21 U1#2.J22 U1#2.J23 U1#2.K2 U1#2.K21 U1#2.K22 U1#2.K23 U1#2.L21 U1#2.L22 U1#2.L23 U1#2.M21 U1#2.M22 U1#2.N21 U1#2.N22 U1#2.P1 U1#2.P2 U1#2.P3 U1#2.P21 U1#2.P22 U1#2.R3 U1#2.R21 U1#2.R22 U1#2.T21 U1#2.T22 U1#2.T23 U1#2.U2 U1#2.U21 U1#2.U22 U1#2.U23 U1#2.V21 U1#2.V22 U1#2.V23 U1#2.W21 U1#2.W22 U1#2.W23 U1#2.Y2 U1#2.Y21 U1#2.Y22 U1#2.Y23 U1#3.A3 U1#3.A4 U1#3.A7 U1#3.A15 U1#3.A16 U1#3.A17 U1#3.A21 U1#3.A22 U1#3.A23 U1#3.AA13 U1#3.AA14 U1#3.AA15 U1#3.AA16 U1#3.AA17 U1#3.AA18 U1#3.AA19 U1#3.AA20 U1#3.AA21 U1#3.AA22 U1#3.AA23 U1#3.AB2 U1#3.AB3 U1#3.AB4 U1#3.AB5 U1#3.AB6 U1#3.AB7 U1#3.AB8 U1#3.AB13 U1#3.AB14 U1#3.AB15 U1#3.AB16 U1#3.AB17 U1#3.AB18 U1#3.AB19 U1#3.AB20 U1#3.AB21 U1#3.AB22 U1#3.AB23 U1#3.AC13 U1#3.AC15 U1#3.AC18 U1#3.AC19 U1#3.AC21 U1#3.AC22 U1#3.AC23 U1#3.B4 U1#3.B5 U1#3.B6 U1#3.B7 U1#3.B13 U1#3.B17 U1#3.B21 U1#3.C4 U1#3.C7 U1#3.C15 U1#3.C16 U1#3.C17 U1#3.C23 U1#3.D2 U1#3.D21 U1#3.D22 U1#3.D23 U1#3.E2 U1#3.E21 U1#3.E22 U1#3.E23 U1#3.F21 U1#3.F22 U1#3.F23 U1#3.G2 U1#3.G21 U1#3.G23 U1#3.H21 U1#3.H22 U1#3.H23 U1#3.J21 U1#3.J22 U1#3.J23 U1#3.K2 U1#3.K21 U1#3.K22 U1#3.K23 U1#3.L21 U1#3.L22 U1#3.L23 U1#3.M21 U1#3.M22 U1#3.N21 U1#3.N22 U1#3.P1 U1#3.P2 U1#3.P3 U1#3.P21 U1#3.P22 U1#3.R3 U1#3.R21 U1#3.R22 U1#3.T21 U1#3.T22 U1#3.T23 U1#3.U2 U1#3.U21 U1#3.U22 U1#3.U23 U1#3.V21 U1#3.V22 U1#3.V23 U1#3.W21 U1#3.W22 U1#3.W23 U1#3.Y2 U1#3.Y21 U1#3.Y22 U1#3.Y23 U1#4.A3 U1#4.A4 U1#4.A7 U1#4.A15 U1#4.A16 U1#4.A17 U1#4.A21 U1#4.A22 U1#4.A23 U1#4.AA13 U1#4.AA14 U1#4.AA15 U1#4.AA16 U1#4.AA17 U1#4.AA18 U1#4.AA19 U1#4.AA20 U1#4.AA21 U1#4.AA22 U1#4.AA23 U1#4.AB2 U1#4.AB3 U1#4.AB4 U1#4.AB5 U1#4.AB6 U1#4.AB7 U1#4.AB8 U1#4.AB13 U1#4.AB14 U1#4.AB15 U1#4.AB16 U1#4.AB17 U1#4.AB18 U1#4.AB19 U1#4.AB20 U1#4.AB21 U1#4.AB22 U1#4.AB23 U1#4.AC13 U1#4.AC15 U1#4.AC18 U1#4.AC19 U1#4.AC21 U1#4.AC22 U1#4.AC23 U1#4.B4 U1#4.B5 U1#4.B6 U1#4.B7 U1#4.B13 U1#4.B17 U1#4.B21 U1#4.C4 U1#4.C7 U1#4.C15 U1#4.C16 U1#4.C17 U1#4.C23 U1#4.D2 U1#4.D21 U1#4.D22 U1#4.D23 U1#4.E2 U1#4.E21 U1#4.E22 U1#4.E23 U1#4.F21 U1#4.F22 U1#4.F23 U1#4.G2 U1#4.G21 U1#4.G23 U1#4.H21 U1#4.H22 U1#4.H23 U1#4.J21 U1#4.J22 U1#4.J23 U1#4.K2 U1#4.K21 U1#4.K22 U1#4.K23 U1#4.L21 U1#4.L22 U1#4.L23 U1#4.M21 U1#4.M22 U1#4.N21 U1#4.N22 U1#4.P1 U1#4.P2 U1#4.P3 U1#4.P21 U1#4.P22 U1#4.R3 U1#4.R21 U1#4.R22 U1#4.T21 U1#4.T22 U1#4.T23 U1#4.U2 U1#4.U21 U1#4.U22 U1#4.U23 U1#4.V21 U1#4.V22 U1#4.V23 U1#4.W21 U1#4.W22 U1#4.W23 U1#4.Y2 U1#4.Y21 U1#4.Y22 U1#4.Y23 U2.4 U2#2.4 U2#3.4 U2#4.4 U3.2 U3#2.2 U3#3.2 U3#4.2 U4.4 U4.9 U4#2.4 U4#2.9 U4#3.4 U4#3.9 U4#4.4 U4#4.9
VBATT: J3.5 J3#2.5 J3#3.5 J3#4.5 U1.B8 U1#2.B8 U1#3.B8 U1#4.B8 VBATT1.2 VBATT1#2.2 VBATT1#3.2 VBATT1#4.2
VIN: D19.2 D19#2.2 D19#3.2 D19#4.2 J3.3 J3#2.3 J3#3.3 J3#4.3
ANT: D9.2 D9#2.2 D9#3.2 D9#4.2 J2.1 J2#2.1 J2#3.1 J2#4.1 U1.AC20 U1#2.AC20 U1#3.AC20 U1#4.AC20
CTS1: D13.4 D13#2.4 D13#3.4 D13#4.4 J4.6 J4#2.6 J4#3.6 J4#4.6 U1.E1 U1#2.E1 U1#3.E1 U1#4.E1
CTS2: D12.4 D12#2.4 D12#3.4 D12#4.4 J4.10 J4#2.10 J4#3.10 J4#4.10 U1.J1 U1#2.J1 U1#3.J1 U1#4.J1
CTS3: D14.3 D14#2.3 D14#3.3 D14#4.3 J5.4 J5#2.4 J5#3.4 J5#4.4 TP5.1 TP5#2.1 TP5#3.1 TP5#4.1 U1.N1 U1#2.N1 U1#3.N1 U1#4.N1
D+: TR1.4 TR1#2.4 TR1#3.4 TR1#4.4 U1.A5 U1#2.A5 U1#3.A5 U1#4.A5
D-: TR1.2 TR1#2.2 TR1#3.2 TR1#4.2 U1.A6 U1#2.A6 U1#3.A6 U1#4.A6
EVENT_A: D15.1 D15.5 D15#2.1 D15#2.5 D15#3.1 D15#3.5 D15#4.1 D15#4.5 J4.18 J4#2.18 J4#3.18 J4#4.18 R8.2 R8#2.2 R8#3.2 R8#4.2
EVENT_B: D15.3 D15.4 D15#2.3 D15#2.4 D15#3.3 D15#3.4 D15#4.3 D15#4.4 J4.19 J4#2.19 J4#3.19 J4#4.19 R9.2 R9#2.2 R9#3.2 R9#4.2
GP1: D11.3 D11#2.3 D11#3.3 D11#4.3 J4.13 J4#2.13 J4#3.13 J4#4.13 U1.AA4 U1#2.AA4 U1#3.AA4 U1#4.AA4
GP2: D11.4 D11#2.4 D11#3.4 D11#4.4 J4.14 J4#2.14 J4#3.14 J4#4.14 U1.L3 U1#2.L3 U1#3.L3 U1#4.L3
LOG_BTN: D10.1 D10#2.1 D10#3.1 D10#4.1 J4.16 J4#2.16 J4#3.16 J4#4.16 R13.2 R13#2.2 R13#3.2 R13#4.2 U1.K3 U1#2.K3 U1#3.K3 U1#4.K3
LOG_LED: D7.3 D7#2.3 D7#3.3 D7#4.3 J3.9 J3#2.9 J3#3.9 J3#4.9 LOG1.2 LOG1#2.2 LOG1#3.2 LOG1#4.2 U1.B2 U1#2.B2 U1#3.B2 U1#4.B2
ON_OFF: D8.3 D8.4 D8#2.3 D8#2.4 D8#3.3 D8#3.4 D8#4.3 D8#4.4 J3.11 J3#2.11 J3#3.11 J3#4.11 U1.A10 U1#2.A10 U1#3.A10 U1#4.A10
PMIC_ON_REQ: D8.1 D8.5 D8#2.1 D8#2.5 D8#3.1 D8#3.5 D8#4.1 D8#4.5 J3.10 J3#2.10 J3#3.10 J3#4.10 U1.B16 U1#2.B16 U1#3.B16 U1#4.B16
PPS: D10.3 D10.4 D10#2.3 D10#2.4 D10#3.3 D10#3.4 D10#4.3 D10#4.4 J4.17 J4#2.17 J4#3.17 J4#4.17 PPS1.2 PPS1#2.2 PPS1#3.2 PPS1#4.2 U2.7 U2#2.7 U2#3.7 U2#4.7
PPS_1V8: U1.AC8 U1#2.AC8 U1#3.AC8 U1#4.AC8 U2.2 U2.3 U2#2.2 U2#2.3 U2#3.2 U2#3.3 U2#4.2 U2#4.3
PVT_LED: D7.4 D7#2.4 D7#3.4 D7#4.4 J3.8 J3#2.8 J3#3.8 J3#4.8 PVT1.2 PVT1#2.2 PVT1#3.2 PVT1#4.2 U1.A14 U1#2.A14 U1#3.A14 U1#4.A14
RDY: D7.5 D7#2.5 D7#3.5 D7#4.5 J3.7 J3#2.7 J3#3.7 J3#4.7 U1.A12 U1#2.A12 U1#3.A12 U1#4.A12
REF_EXT: R21.2 R21#2.2 R21#3.2 R21#4.2 R22.1 R22#2.1 R22#3.1 R22#4.1 SW1.1 SW1#2.1 SW1#3.1 SW1#4.1 TP10.1 TP10#2.1 TP10#3.1 TP10#4.1
REF_IN: SW1.2 SW1#2.2 SW1#3.2 SW1#4.2 U1.AC17 U1#2.AC17 U1#3.AC17 U1#4.AC17
REF_OUT: SW1.3 SW1#2.3 SW1#3.3 SW1#4.3 U1.AC16 U1#2.AC16 U1#3.AC16 U1#4.AC16
RTK_LED: D10.5 D10#2.5 D10#3.5 D10#4.5 J4.15 J4#2.15 J4#3.15 J4#4.15 RTK1.2 RTK1#2.2 RTK1#3.2 RTK1#4.2 U1.M3 U1#2.M3 U1#3.M3 U1#4.M3
RTS1: D13.3 D13#2.3 D13#3.3 D13#4.3 J4.5 J4#2.5 J4#3.5 J4#4.5 U1.C1 U1#2.C1 U1#3.C1 U1#4.C1
RTS2: D12.3 D12#2.3 D12#3.3 D12#4.3 J4.9 J4#2.9 J4#3.9 J4#4.9 U1.G1 U1#2.G1 U1#3.G1 U1#4.G1
RTS3: D14.4 D14#2.4 D14#3.4 D14#4.4 J5.5 J5#2.5 J5#3.5 J5#4.5 TP4.1 TP4#2.1 TP4#3.1 TP4#4.1 U1.L1 U1#2.L1 U1#3.L1 U1#4.L1
RX1: D13.5 D13#2.5 D13#3.5 D13#4.5 J4.3 J4#2.3 J4#3.3 J4#4.3 U1.B1 U1#2.B1 U1#3.B1 U1#4.B1
RX2: D12.5 D12#2.5 D12#3.5 D12#4.5 J4.7 J4#2.7 J4#3.7 J4#4.7 U1.F1 U1#2.F1 U1#3.F1 U1#4.F1
RX3: D14.5 D14#2.5 D14#3.5 D14#4.5 J5.2 J5#2.2 J5#3.2 J5#4.2 TP7.1 TP7#2.1 TP7#3.1 TP7#4.1 U1.K1 U1#2.K1 U1#3.K1 U1#4.K1
RX4: D11.5 D11#2.5 D11#3.5 D11#4.5 J4.11 J4#2.11 J4#3.11 J4#4.11 U1.D3 U1#2.D3 U1#3.D3 U1#4.D3